# KiCad board LightRail_LPO_1.6T.kicad_pcb (continued)
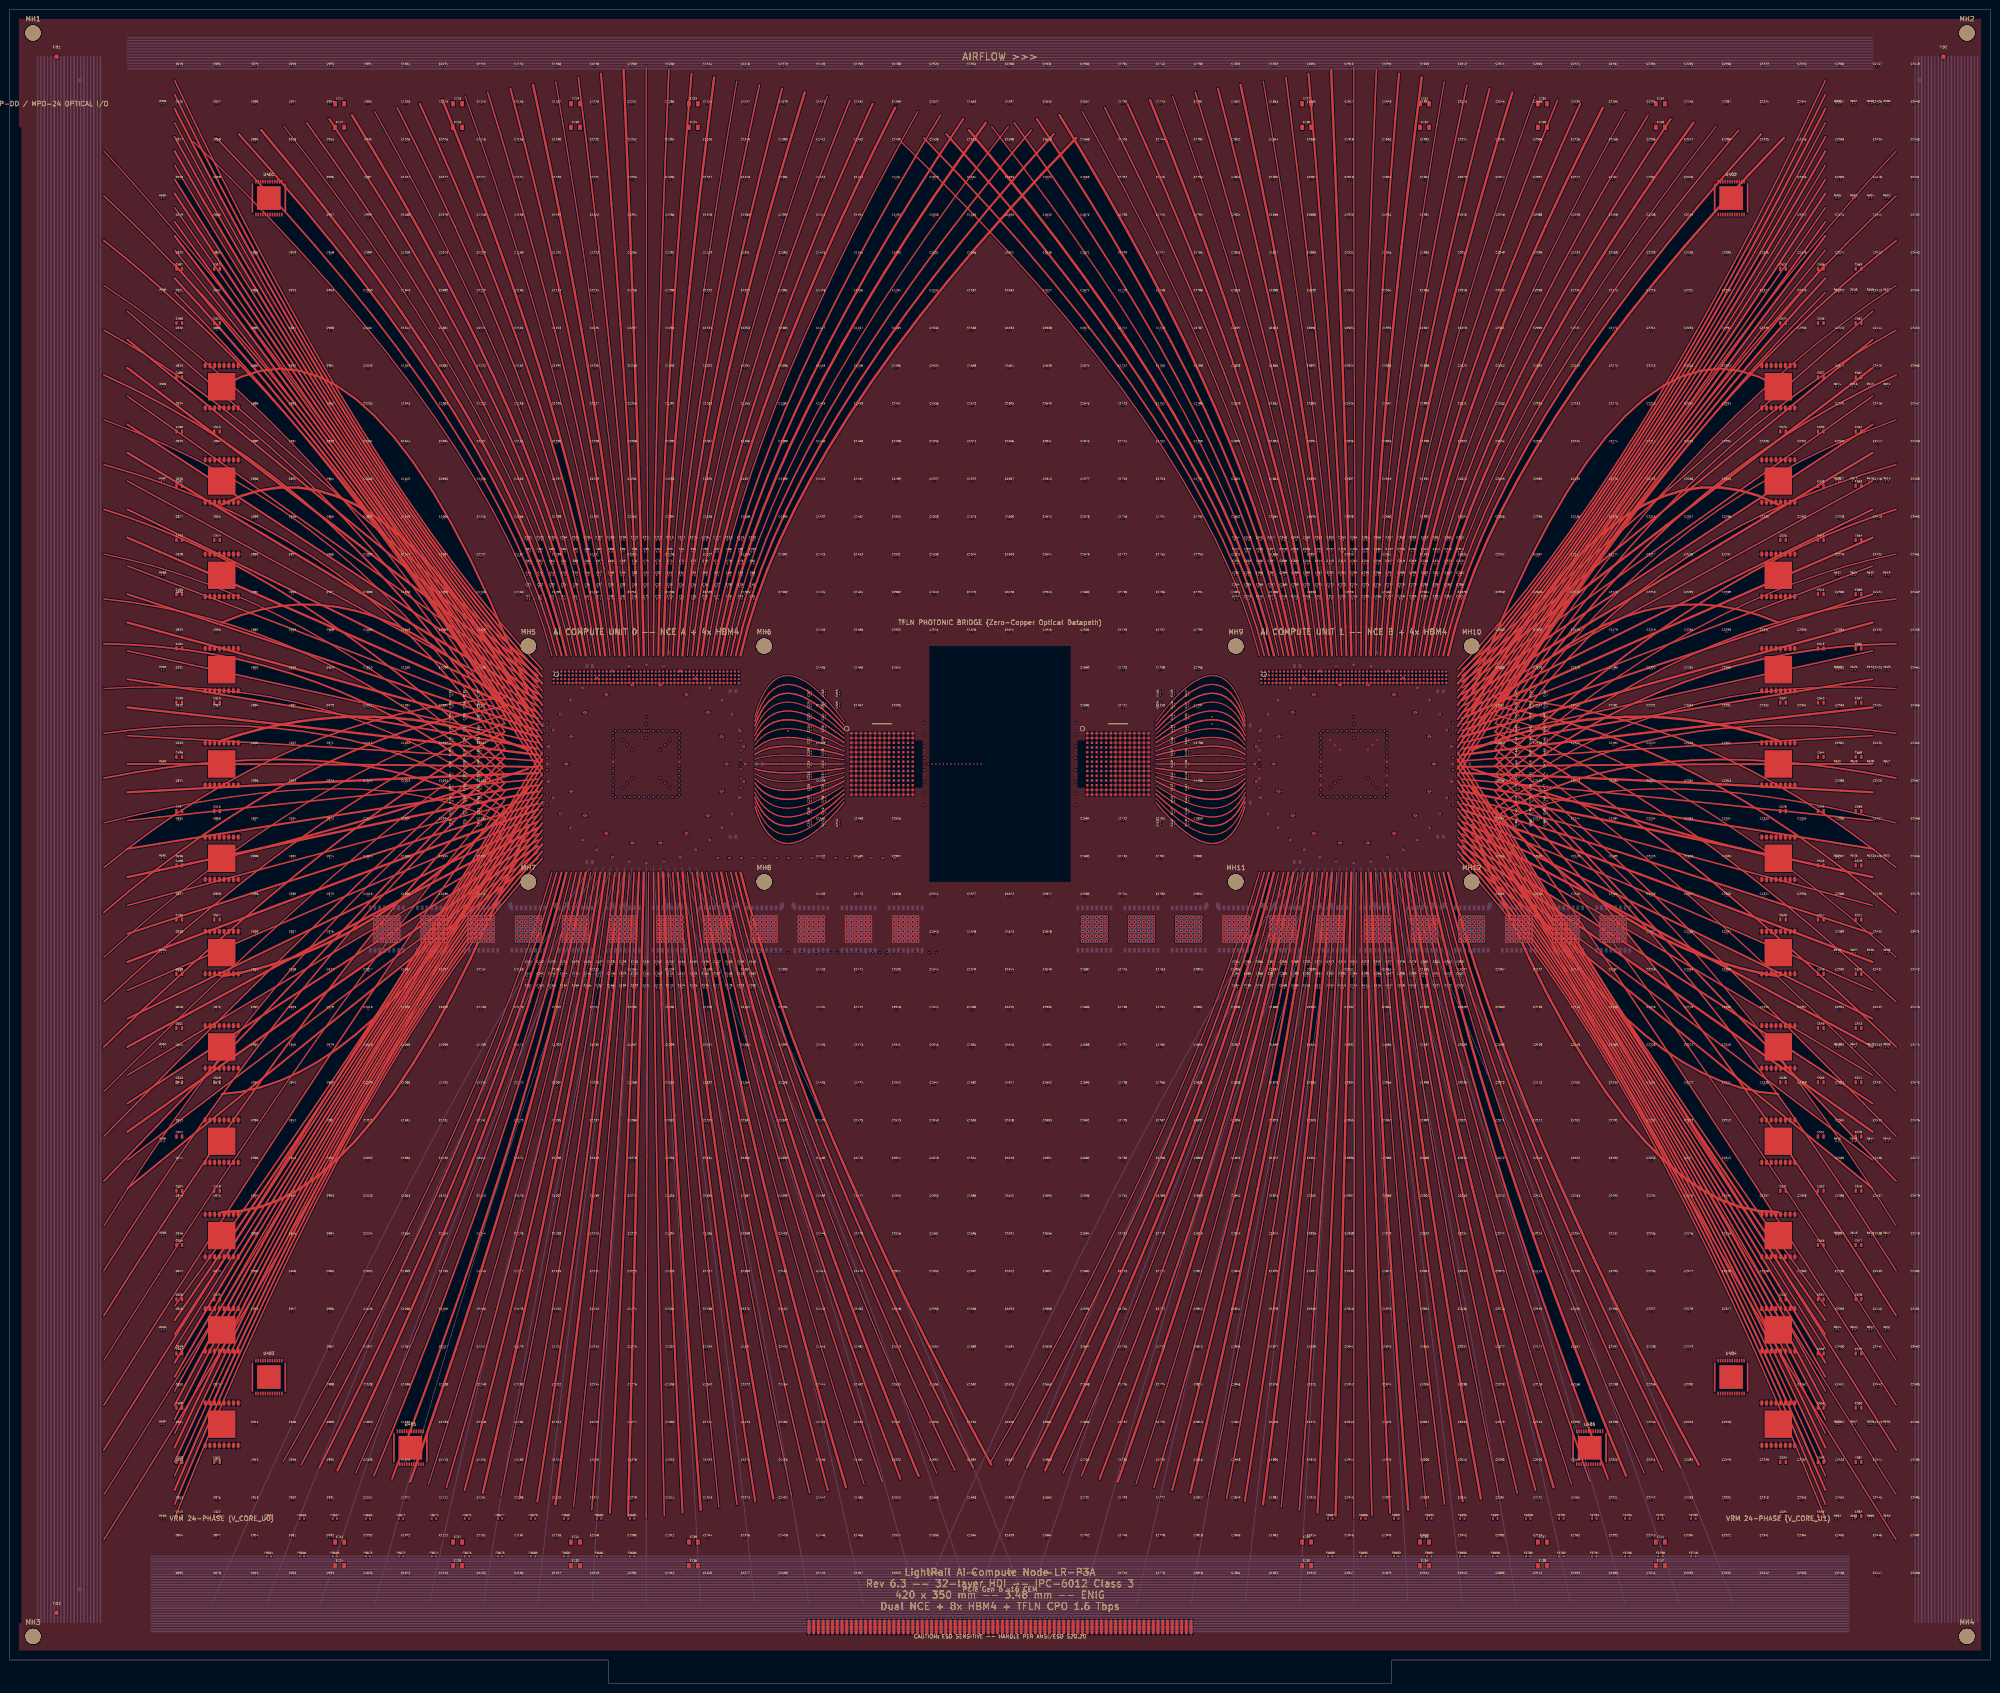
[diagram p0: board, top side]
## Routing (per net, layer and track width the routed paths; a pad name or vN(x,y) marks a point on that pad's centre or on a via; arc(x,y) is an arc through that point) (continued)
 187.5,35.8 187.5,40.92 188.55,41.16 188.55,41.64 186.45,42.12 186.45,42.6 188.55,43.08 188.55,43.56 187.5,43.8 187.5,48.92 188.55,49.16 188.55,49.64 186.45,50.12 186.45,50.6 188.55,51.08 188.55,51.56 187.5,51.8 187.5,56.92 188.55,57.16 188.55,57.64 186.45,58.12 186.45,58.6 188.55,59.08 188.55,59.56 187.5,59.8 187.5,64.92 188.55,65.16 188.55,65.64 186.45,66.12 186.45,66.6 188.55,67.08 188.55,67.56 187.5,67.8 187.5,72.92 188.55,73.16 188.55,73.64 186.45,74.12 186.45,74.6 188.55,75.08 188.55,75.56 187.5,75.8 187.5,80.92 188.55,81.16 188.55,81.64 186.45,82.12 186.45,82.6 188.55,83.08 188.55,83.56 187.5,83.8 187.5,88.92 188.55,89.16 188.55,89.64 186.45,90.12 186.45,90.6 188.55,91.08 188.55,91.56 187.5,91.8 187.5,96.92 188.55,97.16 188.55,97.64 186.45,98.12 186.45,98.6 188.55,99.08 188.55,99.56 187.5,99.8 187.5,104.92 188.55,105.16 188.55,105.64 186.45,106.12 186.45,106.6 188.55,107.08 188.55,107.56 187.5,107.8 187.5,112.92 188.55,113.16 188.55,113.64 186.45,114.12 186.45,114.6 188.55,115.08 188.55,115.56 187.5,115.8 187.5,120.92 188.55,121.16 188.55,121.64 186.45,122.12 186.45,122.6 188.55,123.08 188.55,123.56 187.5,123.8 187.5,128.92 188.55,129.16 188.55,129.64 186.45,130.12 186.45,130.6 188.55,131.08 188.55,131.56 187.5,131.8 187.5,136.92 188.55,137.16 188.55,137.64 186.45,138.12 186.45,138.6 188.55,139.08 188.55,139.56 187.5,139.8 187.5,144.92 188.55,145.16 188.55,145.64 186.45,146.12 186.45,146.6 188.55,147.08 188.55,147.56 187.5,147.8 187.5,152.92 188.55,153.16 188.55,153.64 186.45,154.12 186.45,154.6 188.55,155.08 188.55,155.56 187.5,155.8 187.5,160.92 188.55,161.16 188.55,161.64 186.45,162.12 186.45,162.6 188.55,163.08 188.55,163.56 187.5,163.8 187.5,168.92 188.55,169.16 188.55,169.64 186.45,170.12 186.45,170.6 188.55,171.08 188.55,171.56 187.5,171.8 v1(187.5,175) 187.5,59.5 227.5,59.5 v1(227.5,14) ; 15,55 60,55 60,186 ; 160,55 160,56.92 160.6,57.16 160.6,57.64 159.4,58.12 159.4,58.6 160.6,59.08 160.6,59.56 160,59.8 160,64.92 160.6,65.16 160.6,65.64 159.4,66.12 159.4,66.6 160.6,67.08 160.6,67.56 160,67.8 160,72.92 160.6,73.16 160.6,73.64 159.4,74.12 159.4,74.6 160.6,75.08 160.6,75.56 160,75.8 160,80.92 160.6,81.16 160.6,81.64 159.4,82.12 159.4,82.6 160.6,83.08 160.6,83.56 160,83.8 160,88.92 160.6,89.16 160.6,89.64 159.4,90.12 159.4,90.6 160.6,91.08 160.6,91.56 160,91.8 160,96.92 160.6,97.16 160.6,97.64 159.4,98.12 159.4,98.6 160.6,99.08 160.6,99.56 160,99.8 160,104.92 160.6,105.16 160.6,105.64 159.4,106.12 159.4,106.6 160.6,107.08 160.6,107.56 160,107.8 160,112.92 160.6,113.16 160.6,113.64 159.4,114.12 159.4,114.6 160.6,115.08 160.6,115.56 160,115.8 160,120.92 160.6,121.16 160.6,121.64 159.4,122.12 159.4,122.6 160.6,123.08 160.6,123.56 160,123.8 160,128.92 160.6,129.16 160.6,129.64 159.4,130.12 159.4,130.6 160.6,131.08 160.6,131.56 160,131.8 160,136.92 160.6,137.16 160.6,137.64 159.4,138.12 159.4,138.6 160.6,139.08 160.6,139.56 160,139.8 160,144.92 160.6,145.16 160.6,145.64 159.4,146.12 159.4,146.6 160.6,147.08 160.6,147.56 160,147.8 160,152.92 160.6,153.16 160.6,153.64 159.4,154.12 159.4,154.6 160.6,155.08 160.6,155.56 160,155.8 160,160.92 160.6,161.16 160.6,161.64 159.4,162.12 159.4,162.6 160.6,163.08 160.6,163.56 160,163.8 160,168.92 160.6,169.16 160.6,169.64 159.4,170.12 159.4,170.6 160.6,171.08 160.6,171.56 160,171.8 v1(160,175) 160,55 ; 160,55 160,51.8 160.6,51.56 160.6,51.08 159.4,50.6 159.4,50.12 160.6,49.64 160.6,49.16 160,48.92 160,43.8 160.6,43.56 160.6,43.08 159.4,42.6 159.4,42.12 160.6,41.64 160.6,41.16 160,40.92 160,35.8 160.6,35.56 160.6,35.08 159.4,34.6 159.4,34.12 160.6,33.64 160.6,33.16 160,32.92 160,27.8 160.6,27.56 160.6,27.08 159.4,26.6 159.4,26.12 160.6,25.64 160.6,25.16 160,24.92 160,15 ; 160,55 200,55 v1(200,14) ; 152.8,15 152.8,24.92 153.55,25.16 153.55,25.64 152.05,26.12 152.05,26.6 153.55,27.08 153.55,27.56 152.8,27.8 152.8,32.92 153.55,33.16 153.55,33.64 152.05,34.12 152.05,34.6 153.55,35.08 153.55,35.56 152.8,35.8 152.8,40.92 153.55,41.16 153.55,41.64 152.05,42.12 152.05,42.6 153.55,43.08 153.55,43.56 152.8,43.8 152.8,48.92 153.55,49.16 153.55,49.64 152.05,50.12 152.05,50.6 153.55,51.08 153.55,51.56 152.8,51.8 152.8,56.92 153.55,57.16 153.55,57.64 152.05,58.12 152.05,58.6 153.55,59.08 153.55,59.56 152.8,59.8 152.8,64.92 153.55,65.16 153.55,65.64 152.05,66.12 152.05,66.6 153.55,67.08 153.55,67.56 152.8,67.8 152.8,72.92 153.55,73.16 153.55,73.64 152.05,74.12 152.05,74.6 153.55,75.08 153.55,75.56 152.8,75.8 152.8,80.92 153.55,81.16 153.55,81.64 152.05,82.12 152.05,82.6 153.55,83.08 153.55,83.56 152.8,83.8 152.8,88.92 153.55,89.16 153.55,89.64 152.05,90.12 152.05,90.6 153.55,91.08 153.55,91.56 152.8,91.8 152.8,96.92 153.55,97.16 153.55,97.64 152.05,98.12 152.05,98.6 153.55,99.08 153.55,99.56 152.8,99.8 152.8,104.92 153.55,105.16 153.55,105.64 152.05,106.12 152.05,106.6 153.55,107.08 153.55,107.56 152.8,107.8 152.8,112.92 153.55,113.16 153.55,113.64 152.05,114.12 152.05,114.6 153.55,115.08 153.55,115.56 152.8,115.8 152.8,120.92 153.55,121.16 153.55,121.64 152.05,122.12 152.05,122.6 153.55,123.08 153.55,123.56 152.8,123.8 152.8,128.92 153.55,129.16 153.55,129.64 152.05,130.12 152.05,130.6 153.55,131.08 153.55,131.56 152.8,131.8 152.8,136.92 153.55,137.16 153.55,137.64 152.05,138.12 152.05,138.6 153.55,139.08 153.55,139.56 152.8,139.8 152.8,144.92 153.55,145.16 153.55,145.64 152.05,146.12 152.05,146.6 153.55,147.08 153.55,147.56 152.8,147.8 152.8,152.92 153.55,153.16 153.55,153.64 152.05,154.12 152.05,154.6 153.55,155.08 153.55,155.56 152.8,155.8 152.8,160.92 153.55,161.16 153.55,161.64 152.05,162.12 152.05,162.6 153.55,163.08 153.55,163.56 152.8,163.8 152.8,168.92 153.55,169.16 153.55,169.64 152.05,170.12 152.05,170.6 153.55,171.08 153.55,171.56 152.8,171.8 v1(152.8,175) ; 180,55 180,51.8 180.6,51.56 180.6,51.08 179.4,50.6 179.4,50.12 180.6,49.64 180.6,49.16 180,48.92 180,43.8 180.6,43.56 180.6,43.08 179.4,42.6 179.4,42.12 180.6,41.64 180.6,41.16 180,40.92 180,35.8 180.6,35.56 180.6,35.08 179.4,34.6 179.4,34.12 180.6,33.64 180.6,33.16 180,32.92 180,27.8 180.6,27.56 180.6,27.08 179.4,26.6 179.4,26.12 180.6,25.64 180.6,25.16 180,24.92 180,15 ; 180,55 180,56.92 180.6,57.16 180.6,57.64 179.4,58.12 179.4,58.6 180.6,59.08 180.6,59.56 180,59.8 180,64.92 180.6,65.16 180.6,65.64 179.4,66.12 179.4,66.6 180.6,67.08 180.6,67.56 180,67.8 180,72.92 180.6,73.16 180.6,73.64 179.4,74.12 179.4,74.6 180.6,75.08 180.6,75.56 180,75.8 180,80.92 180.6,81.16 180.6,81.64 179.4,82.12 179.4,82.6 180.6,83.08 180.6,83.56 180,83.8 180,88.92 180.6,89.16 180.6,89.64 179.4,90.12 179.4,90.6 180.6,91.08 180.6,91.56 180,91.8 180,96.92 180.6,97.16 180.6,97.64 179.4,98.12 179.4,98.6 180.6,99.08 180.6,99.56 180,99.8 180,104.92 180.6,105.16 180.6,105.64 179.4,106.12 179.4,106.6 180.6,107.08 180.6,107.56 180,107.8 180,112.92 180.6,113.16 180.6,113.64 179.4,114.12 179.4,114.6 180.6,115.08 180.6,115.56 180,115.8 180,120.92 180.6,121.16 180.6,121.64 179.4,122.12 179.4,122.6 180.6,123.08 180.6,123.56 180,123.8 180,128.92 180.6,129.16 180.6,129.64 179.4,130.12 179.4,130.6 180.6,131.08 180.6,131.56 180,131.8 180,136.92 180.6,137.16 180.6,137.64 179.4,138.12 179.4,138.6 180.6,139.08 180.6,139.56 180,139.8 180,144.92 180.6,145.16 180.6,145.64 179.4,146.12 179.4,146.6 180.6,147.08 180.6,147.56 180,147.8 180,152.92 180.6,153.16 180.6,153.64 179.4,154.12 179.4,154.6 180.6,155.08 180.6,155.56 180,155.8 180,160.92 180.6,161.16 180.6,161.64 179.4,162.12 179.4,162.6 180.6,163.08 180.6,163.56 180,163.8 180,168.92 180.6,169.16 180.6,169.64 179.4,170.12 179.4,170.6 180.6,171.08 180.6,171.56 180,171.8 v1(180,175) 180,55 ; 180,55 220,55 v1(220,14) ; 64,182 110,182 64,182 ; 64,182 64,195 15,195 ; 64,182 64,35 15,35 ; 64,198 110,198 64,198 ; 64,198 64,275 15,275 ; 64,198 64,115 15,115 ; 162.5,15 162.5,24.92 163.25,25.16 163.25,25.64 161.75,26.12 161.75,26.6 163.25,27.08 163.25,27.56 162.5,27.8 162.5,32.92 163.25,33.16 163.25,33.64 161.75,34.12 161.75,34.6 163.25,35.08 163.25,35.56 162.5,35.8 162.5,40.92 163.25,41.16 163.25,41.64 161.75,42.12 161.75,42.6 163.25,43.08 163.25,43.56 162.5,43.8 162.5,48.92 163.25,49.16 163.25,49.64 161.75,50.12 161.75,50.6 163.25,51.08 163.25,51.56 162.5,51.8 162.5,56.92 163.25,57.16 163.25,57.64 161.75,58.12 161.75,58.6 163.25,59.08 163.25,59.56 162.5,59.8 162.5,64.92 163.25,65.16 163.25,65.64 161.75,66.12 161.75,66.6 163.25,67.08 163.25,67.56 162.5,67.8 162.5,72.92 163.25,73.16 163.25,73.64 161.75,74.12 161.75,74.6 163.25,75.08 163.25,75.56 162.5,75.8 162.5,80.92 163.25,81.16 163.25,81.64 161.75,82.12 161.75,82.6 163.25,83.08 163.25,83.56 162.5,83.8 162.5,88.92 163.25,89.16 163.25,89.64 161.75,90.12 161.75,90.6 163.25,91.08 163.25,91.56 162.5,91.8 162.5,96.92 163.25,97.16 163.25,97.64 161.75,98.12 161.75,98.6 163.25,99.08 163.25,99.56 162.5,99.8 162.5,104.92 163.25,105.16 163.25,105.64 161.75,106.12 161.75,106.6 163.25,107.08 163.25,107.56 162.5,107.8 162.5,112.92 163.25,113.16 163.25,113.64 161.75,114.12 161.75,114.6 163.25,115.08 163.25,115.56 162.5,115.8 162.5,120.92 163.25,121.16 163.25,121.64 161.75,122.12 161.75,122.6 163.25,123.08 163.25,123.56 162.5,123.8 162.5,128.92 163.25,129.16 163.25,129.64 161.75,130.12 161.75,130.6 163.25,131.08 163.25,131.56 162.5,131.8 162.5,136.92 163.25,137.16 163.25,137.64 161.75,138.12 161.75,138.6 163.25,139.08 163.25,139.56 162.5,139.8 162.5,144.92 163.25,145.16 163.25,145.64 161.75,146.12 161.75,146.6 163.25,147.08 163.25,147.56 162.5,147.8 162.5,152.92 163.25,153.16 163.25,153.64 161.75,154.12 161.75,154.6 163.25,155.08 163.25,155.56 162.5,155.8 162.5,160.92 163.25,161.16 163.25,161.64 161.75,162.12 161.75,162.6 163.25,163.08 163.25,163.56 162.5,163.8 162.5,168.92 163.25,169.16 163.25,169.64 161.75,170.12 161.75,170.6 163.25,171.08 163.25,171.56 162.5,171.8 v1(162.5,175) 162.5,56.5 202.5,56.5 v1(202.5,14) ; v1(192.5,14) 192.5,56.5 152.5,56.5 v1(152.5,175) 152.5,171.8 153.25,171.56 153.25,171.08 151.75,170.6 151.75,170.12 153.25,169.64 153.25,169.16 152.5,168.92 152.5,163.8 153.25,163.56 153.25,163.08 151.75,162.6 151.75,162.12 153.25,161.64 153.25,161.16 152.5,160.92 152.5,155.8 153.25,155.56 153.25,155.08 151.75,154.6 151.75,154.12 153.25,153.64 153.25,153.16 152.5,152.92 152.5,147.8 153.25,147.56 153.25,147.08 151.75,146.6 151.75,146.12 153.25,145.64 153.25,145.16 152.5,144.92 152.5,139.8 153.25,139.56 153.25,139.08 151.75,138.6 151.75,138.12 153.25,137.64 153.25,137.16 152.5,136.92 152.5,131.8 153.25,131.56 153.25,131.08 151.75,130.6 151.75,130.12 153.25,129.64 153.25,129.16 152.5,128.92 152.5,123.8 153.25,123.56 153.25,123.08 151.75,122.6 151.75,122.12 153.25,121.64 153.25,121.16 152.5,120.92 152.5,115.8 153.25,115.56 153.25,115.08 151.75,114.6 151.75,114.12 153.25,113.64 153.25,113.16 152.5,112.92 152.5,107.8 153.25,107.56 153.25,107.08 151.75,106.6 151.75,106.12 153.25,105.64 153.25,105.16 152.5,104.92 152.5,99.8 153.25,99.56 153.25,99.08 151.75,98.6 151.75,98.12 153.25,97.64 153.25,97.16 152.5,96.92 152.5,91.8 153.25,91.56 153.25,91.08 151.75,90.6 151.75,90.12 153.25,89.64 153.25,89.16 152.5,88.92 152.5,83.8 153.25,83.56 153.25,83.08 151.75,82.6 151.75,82.12 153.25,81.64 153.25,81.16 152.5,80.92 152.5,75.8 153.25,75.56 153.25,75.08 151.75,74.6 151.75,74.12 153.25,73.64 153.25,73.16 152.5,72.92 152.5,67.8 153.25,67.56 153.25,67.08 151.75,66.6 151.75,66.12 153.25,65.64 153.25,65.16 152.5,64.92 152.5,59.8 153.25,59.56 153.25,59.08 151.75,58.6 151.75,58.12 153.25,57.64 153.25,57.16 152.5,56.92 152.5,51.8 153.25,51.56 153.25,51.08 151.75,50.6 151.75,50.12 153.25,49.64 153.25,49.16 152.5,48.92 152.5,43.8 153.25,43.56 153.25,43.08 151.75,42.6 151.75,42.12 153.25,41.64 153.25,41.16 152.5,40.92 152.5,35.8 153.25,35.56 153.25,35.08 151.75,34.6 151.75,34.12 153.25,33.64 153.25,33.16 152.5,32.92 152.5,27.8 153.25,27.56 153.25,27.08 151.75,26.6 151.75,26.12 153.25,25.64 153.25,25.16 152.5,24.92 152.5,15 ; v2(130,190) 126,186 ; 180.3,15 180.3,24.92 180.9,25.16 180.9,25.64 179.7,26.12 179.7,26.6 180.9,27.08 180.9,27.56 180.3,27.8 180.3,32.92 180.9,33.16 180.9,33.64 179.7,34.12 179.7,34.6 180.9,35.08 180.9,35.56 180.3,35.8 180.3,40.92 180.9,41.16 180.9,41.64 179.7,42.12 179.7,42.6 180.9,43.08 180.9,43.56 180.3,43.8 180.3,48.92 180.9,49.16 180.9,49.64 179.7,50.12 179.7,50.6 180.9,51.08 180.9,51.56 180.3,51.8 180.3,56.92 180.9,57.16 180.9,57.64 179.7,58.12 179.7,58.6 180.9,59.08 180.9,59.56 180.3,59.8 180.3,64.92 180.9,65.16 180.9,65.64 179.7,66.12 179.7,66.6 180.9,67.08 180.9,67.56 180.3,67.8 180.3,72.92 180.9,73.16 180.9,73.64 179.7,74.12 179.7,74.6 180.9,75.08 180.9,75.56 180.3,75.8 180.3,80.92 180.9,81.16 180.9,81.64 179.7,82.12 179.7,82.6 180.9,83.08 180.9,83.56 180.3,83.8 180.3,88.92 180.9,89.16 180.9,89.64 179.7,90.12 179.7,90.6 180.9,91.08 180.9,91.56 180.3,91.8 180.3,96.92 180.9,97.16 180.9,97.64 179.7,98.12 179.7,98.6 180.9,99.08 180.9,99.56 180.3,99.8 180.3,104.92 180.9,105.16 180.9,105.64 179.7,106.12 179.7,106.6 180.9,107.08 180.9,107.56 180.3,107.8 180.3,112.92 180.9,113.16 180.9,113.64 179.7,114.12 179.7,114.6 180.9,115.08 180.9,115.56 180.3,115.8 180.3,120.92 180.9,121.16 180.9,121.64 179.7,122.12 179.7,122.6 180.9,123.08 180.9,123.56 180.3,123.8 180.3,128.92 180.9,129.16 180.9,129.64 179.7,130.12 179.7,130.6 180.9,131.08 180.9,131.56 180.3,131.8 180.3,136.92 180.9,137.16 180.9,137.64 179.7,138.12 179.7,138.6 180.9,139.08 180.9,139.56 180.3,139.8 180.3,144.92 180.9,145.16 180.9,145.64 179.7,146.12 179.7,146.6 180.9,147.08 180.9,147.56 180.3,147.8 180.3,152.92 180.9,153.16 180.9,153.64 179.7,154.12 179.7,154.6 180.9,155.08 180.9,155.56 180.3,155.8 180.3,160.92 180.9,161.16 180.9,161.64 179.7,162.12 179.7,162.6 180.9,163.08 180.9,163.56 180.3,163.8 180.3,168.92 180.9,169.16 180.9,169.64 179.7,170.12 179.7,170.6 180.9,171.08 180.9,171.56 180.3,171.8 v1(180.3,175) ; v1(187.8,175) 187.8,171.8 188.85,171.56 188.85,171.08 186.75,170.6 186.75,170.12 188.85,169.64 188.85,169.16 187.8,168.92 187.8,163.8 188.85,163.56 188.85,163.08 186.75,162.6 186.75,162.12 188.85,161.64 188.85,161.16 187.8,160.92 187.8,155.8 188.85,155.56 188.85,155.08 186.75,154.6 186.75,154.12 188.85,153.64 188.85,153.16 187.8,152.92 187.8,147.8 188.85,147.56 188.85,147.08 186.75,146.6 186.75,146.12 188.85,145.64 188.85,145.16 187.8,144.92 187.8,139.8 188.85,139.56 188.85,139.08 186.75,138.6 186.75,138.12 188.85,137.64 188.85,137.16 187.8,136.92 187.8,131.8 188.85,131.56 188.85,131.08 186.75,130.6 186.75,130.12 188.85,129.64 188.85,129.16 187.8,128.92 187.8,123.8 188.85,123.56 188.85,123.08 186.75,122.6 186.75,122.12 188.85,121.64 188.85,121.16 187.8,120.92 187.8,115.8 188.85,115.56 188.85,115.08 186.75,114.6 186.75,114.12 188.85,113.64 188.85,113.16 187.8,112.92 187.8,107.8 188.85,107.56 188.85,107.08 186.75,106.6 186.75,106.12 188.85,105.64 188.85,105.16 187.8,104.92 187.8,99.8 188.85,99.56 188.85,99.08 186.75,98.6 186.75,98.12 188.85,97.64 188.85,97.16 187.8,96.92 187.8,91.8 188.85,91.56 188.85,91.08 186.75,90.6 186.75,90.12 188.85,89.64 188.85,89.16 187.8,88.92 187.8,83.8 188.85,83.56 188.85,83.08 186.75,82.6 186.75,82.12 188.85,81.64 188.85,81.16 187.8,80.92 187.8,75.8 188.85,75.56 188.85,75.08 186.75,74.6 186.75,74.12 188.85,73.64 188.85,73.16 187.8,72.92 187.8,67.8 188.85,67.56 188.85,67.08 186.75,66.6 186.75,66.12 188.85,65.64 188.85,65.16 187.8,64.92 187.8,59.8 188.85,59.56 188.85,59.08 186.75,58.6 186.75,58.12 188.85,57.64 188.85,57.16 187.8,56.92 187.8,51.8 188.85,51.56 188.85,51.08 186.75,50.6 186.75,50.12 188.85,49.64 188.85,49.16 187.8,48.92 187.8,43.8 188.85,43.56 188.85,43.08 186.75,42.6 186.75,42.12 188.85,41.64 188.85,41.16 187.8,40.92 187.8,35.8 188.85,35.56 188.85,35.08 186.75,34.6 186.75,34.12 188.85,33.64 188.85,33.16 187.8,32.92 187.8,27.8 188.85,27.56 188.85,27.08 186.75,26.6 186.75,26.12 188.85,25.64 188.85,25.16 187.8,24.92 187.8,15 ; 175,15 175,24.92 175.9,25.16 175.9,25.64 174.1,26.12 174.1,26.6 175.9,27.08 175.9,27.56 175,27.8 175,32.92 175.9,33.16 175.9,33.64 174.1,34.12 174.1,34.6 175.9,35.08 175.9,35.56 175,35.8 175,40.92 175.9,41.16 175.9,41.64 174.1,42.12 174.1,42.6 175.9,43.08 175.9,43.56 175,43.8 175,48.92 175.9,49.16 175.9,49.64 174.1,50.12 174.1,50.6 175.9,51.08 175.9,51.56 175,51.8 175,56.92 175.9,57.16 175.9,57.64 174.1,58.12 174.1,58.6 175.9,59.08 175.9,59.56 175,59.8 175,64.92 175.9,65.16 175.9,65.64 174.1,66.12 174.1,66.6 175.9,67.08 175.9,67.56 175,67.8 175,72.92 175.9,73.16 175.9,73.64 174.1,74.12 174.1,74.6 175.9,75.08 175.9,75.56 175,75.8 175,80.92 175.9,81.16 175.9,81.64 174.1,82.12 174.1,82.6 175.9,83.08 175.9,83.56 175,83.8 175,88.92 175.9,89.16 175.9,89.64 174.1,90.12 174.1,90.6 175.9,91.08 175.9,91.56 175,91.8 175,96.92 175.9,97.16 175.9,97.64 174.1,98.12 174.1,98.6 175.9,99.08 175.9,99.56 175,99.8 175,104.92 175.9,105.16 175.9,105.64 174.1,106.12 174.1,106.6 175.9,107.08 175.9,107.56 175,107.8 175,112.92 175.9,113.16 175.9,113.64 174.1,114.12 174.1,114.6 175.9,115.08 175.9,115.56 175,115.8 175,120.92 175.9,121.16 175.9,121.64 174.1,122.12 174.1,122.6 175.9,123.08 175.9,123.56 175,123.8 175,128.92 175.9,129.16 175.9,129.64 174.1,130.12 174.1,130.6 175.9,131.08 175.9,131.56 175,131.8 175,136.92 175.9,137.16 175.9,137.64 174.1,138.12 174.1,138.6 175.9,139.08 175.9,139.56 175,139.8 175,144.92 175.9,145.16 175.9,145.64 174.1,146.12 174.1,146.6 175.9,147.08 175.9,147.56 175,147.8 175,152.92 175.9,153.16 175.9,153.64 174.1,154.12 174.1,154.6 175.9,155.08 175.9,155.56 175,155.8 175,160.92 175.9,161.16 175.9,161.64 174.1,162.12 174.1,162.6 175.9,163.08 175.9,163.56 175,163.8 175,168.92 175.9,169.16 175.9,169.64 174.1,170.12 174.1,170.6 175.9,171.08 175.9,171.56 175,171.8 v1(175,175) 175,58 215,58 v1(215,14) ; v1(222.5,14) 222.5,56.5 182.5,56.5 v1(182.5,175) 182.5,171.8 183.25,171.56 183.25,171.08 181.75,170.6 181.75,170.12 183.25,169.64 183.25,169.16 182.5,168.92 182.5,163.8 183.25,163.56 183.25,163.08 181.75,162.6 181.75,162.12 183.25,161.64 183.25,161.16 182.5,160.92 182.5,155.8 183.25,155.56 183.25,155.08 181.75,154.6 181.75,154.12 183.25,153.64 183.25,153.16 182.5,152.92 182.5,147.8 183.25,147.56 183.25,147.08 181.75,146.6 181.75,146.12 183.25,145.64 183.25,145.16 182.5,144.92 182.5,139.8 183.25,139.56 183.25,139.08 181.75,138.6 181.75,138.12 183.25,137.64 183.25,137.16 182.5,136.92 182.5,131.8 183.25,131.56 183.25,131.08 181.75,130.6 181.75,130.12 183.25,129.64 183.25,129.16 182.5,128.92 182.5,123.8 183.25,123.56 183.25,123.08 181.75,122.6 181.75,122.12 183.25,121.64 183.25,121.16 182.5,120.92 182.5,115.8 183.25,115.56 183.25,115.08 181.75,114.6 181.75,114.12 183.25,113.64 183.25,113.16 182.5,112.92 182.5,107.8 183.25,107.56 183.25,107.08 181.75,106.6 181.75,106.12 183.25,105.64 183.25,105.16 182.5,104.92 182.5,99.8 183.25,99.56 183.25,99.08 181.75,98.6 181.75,98.12 183.25,97.64 183.25,97.16 182.5,96.92 182.5,91.8 183.25,91.56 183.25,91.08 181.75,90.6 181.75,90.12 183.25,89.64 183.25,89.16 182.5,88.92 182.5,83.8 183.25,83.56 183.25,83.08 181.75,82.6 181.75,82.12 183.25,81.64 183.25,81.16 182.5,80.92 182.5,75.8 183.25,75.56 183.25,75.08 181.75,74.6 181.75,74.12 183.25,73.64 183.25,73.16 182.5,72.92 182.5,67.8 183.25,67.56 183.25,67.08 181.75,66.6 181.75,66.12 183.25,65.64 183.25,65.16 182.5,64.92 182.5,59.8 183.25,59.56 183.25,59.08 181.75,58.6 181.75,58.12 183.25,57.64 183.25,57.16 182.5,56.92 182.5,51.8 183.25,51.56 183.25,51.08 181.75,50.6 181.75,50.12 183.25,49.64 183.25,49.16 182.5,48.92 182.5,43.8 183.25,43.56 183.25,43.08 181.75,42.6 181.75,42.12 183.25,41.64 183.25,41.16 182.5,40.92 182.5,35.8 183.25,35.56 183.25,35.08 181.75,34.6 181.75,34.12 183.25,33.64 183.25,33.16 182.5,32.92 182.5,27.8 183.25,27.56 183.25,27.08 181.75,26.6 181.75,26.12 183.25,25.64 183.25,25.16 182.5,24.92 182.5,15 ; v1(162.8,175) 162.8,171.8 163.55,171.56 163.55,171.08 162.05,170.6 162.05,170.12 163.55,169.64 163.55,169.16 162.8,168.92 162.8,163.8 163.55,163.56 163.55,163.08 162.05,162.6 162.05,162.12 163.55,161.64 163.55,161.16 162.8,160.92 162.8,155.8 163.55,155.56 163.55,155.08 162.05,154.6 162.05,154.12 163.55,153.64 163.55,153.16 162.8,152.92 162.8,147.8 163.55,147.56 163.55,147.08 162.05,146.6 162.05,146.12 163.55,145.64 163.55,145.16 162.8,144.92 162.8,139.8 163.55,139.56 163.55,139.08 